# Altium PCB BGA_ACUity.PcbDoc (part 1 of 6) (continued)
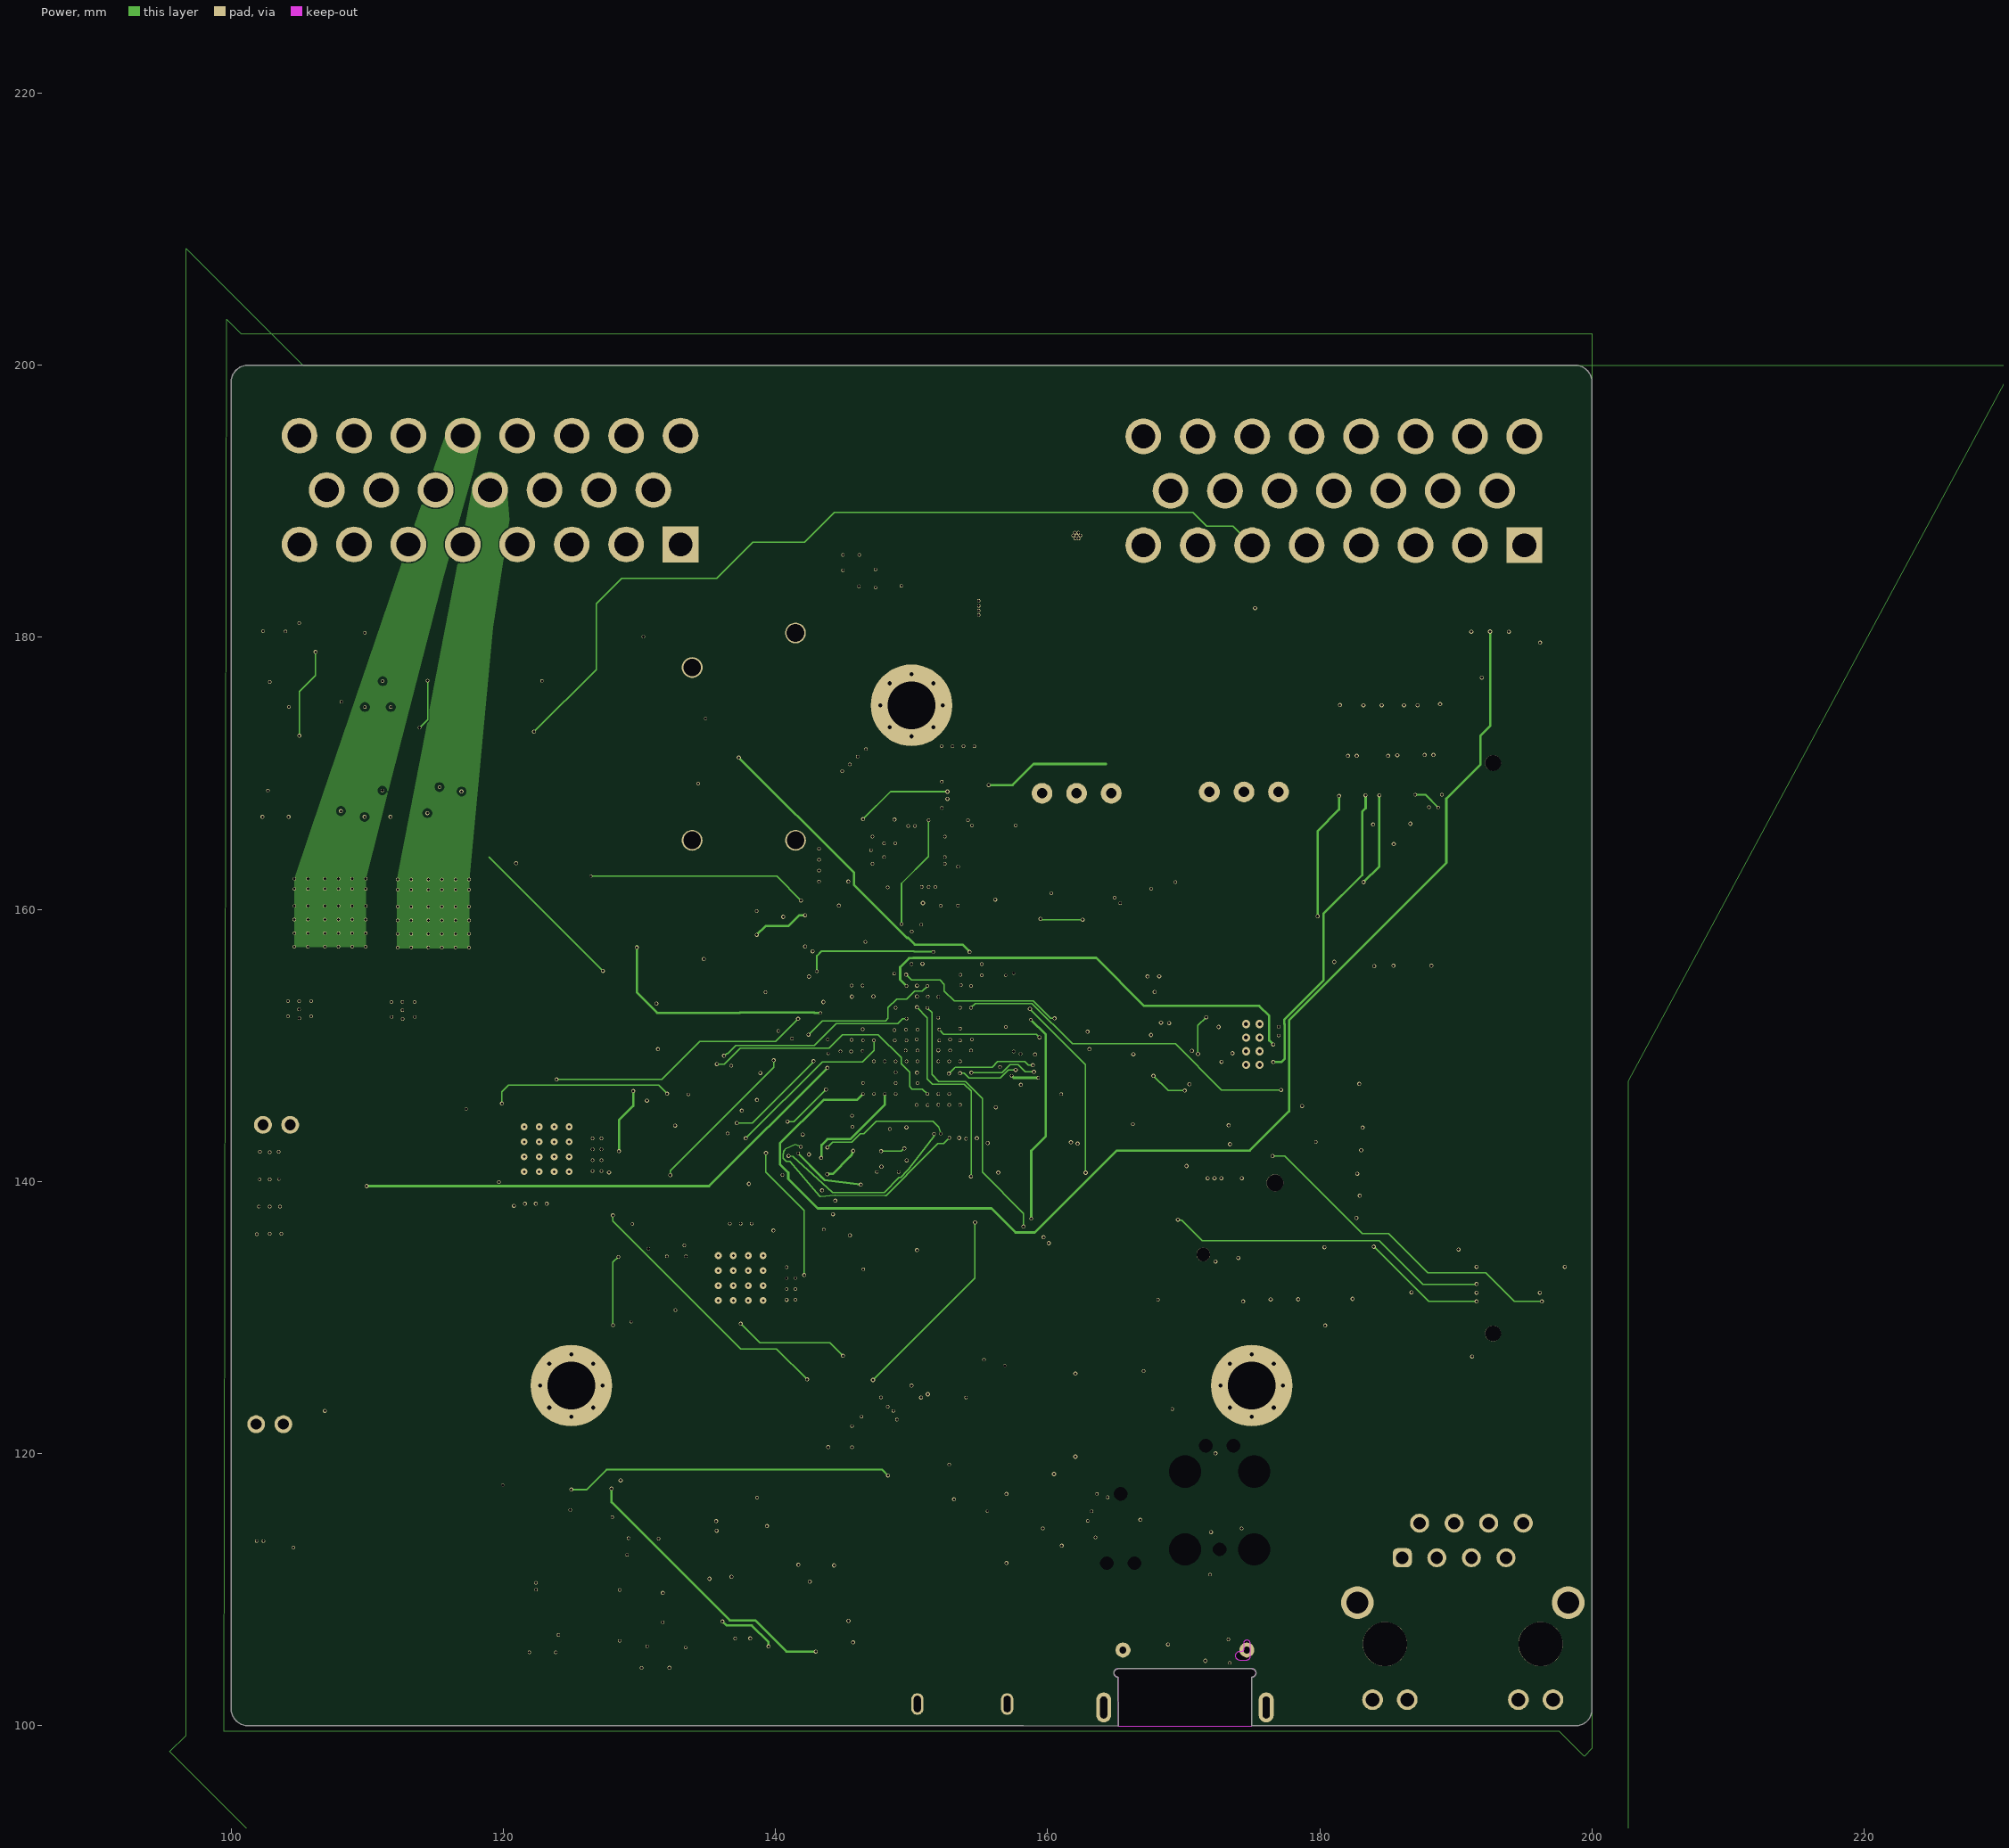
[diagram p3: Power]
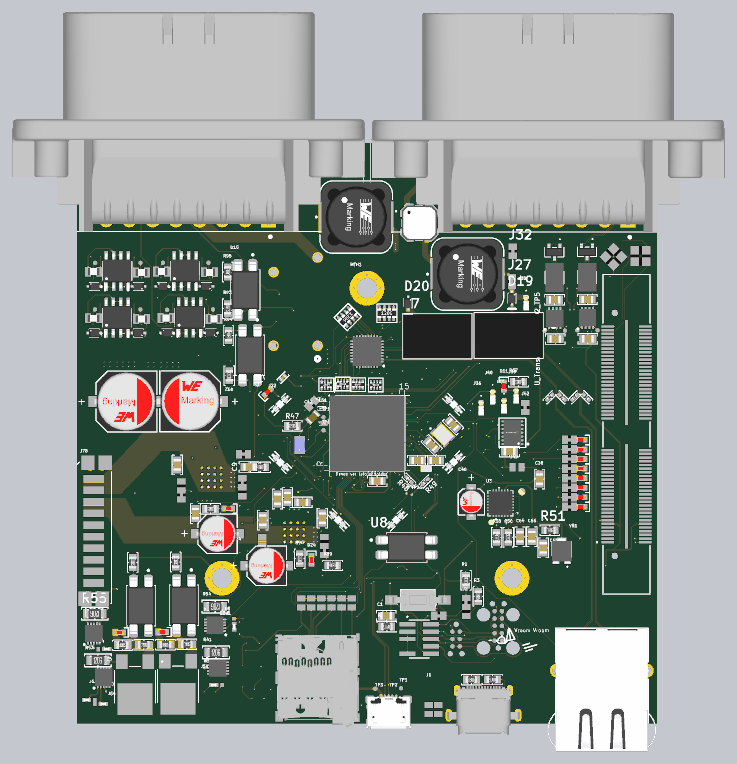
[diagram p9: 3D render of the assembled board from above, using the file's embedded part models]
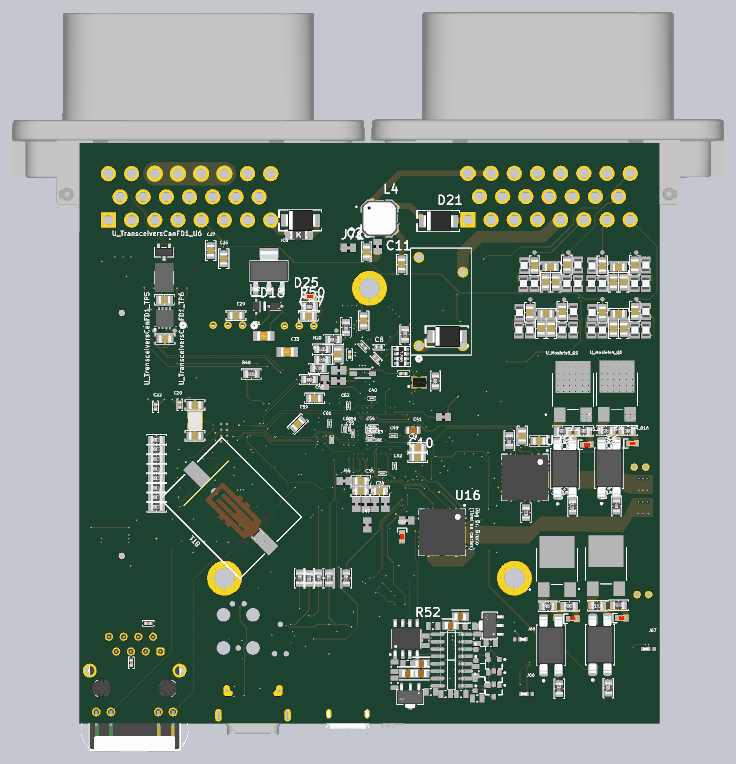
[diagram p10: 3D render of the assembled board from below, using the file's embedded part models]

## Layer stack, top to bottom
Top Solder: solder mask 0.0102, Solder Resist, Dk 3.5
TopSignal: signal copper 0.035
Dielectric 2: prepreg 0.0994, 3313 RC57% 4.2mil, Dk 4.1
Ground: signal copper 0.0152
Core: core 1.265, Core-042, Dk 4.6
Power: signal copper 0.0152
Dielectric 3: prepreg 0.0994, 3313 RC57% 4.2mil, Dk 4.1
BottomSignal: signal copper 0.035
Bottom Solder: solder mask 0.0102, Solder Resist, Dk 3.5

## Board outline
101.27,100 cw(c101.27,101.27) 100,101.27 100,198.731 cw(c101.27,198.731) 101.27,200.001 101.464,200.001 cw(c101.464,200) 101.465,200 198.73,200 cw(c198.73,198.737) 199.993,198.737 199.993,118.421 ccw(c200,118.421) 200,118.414 200,101.207 cw(c198.793,101.207) 198.793,100 174.988,100 175.008,103.586 175.016,103.585 ccw(c175.008,103.886) 175.008,104.187 175.008,104.186 165.168,104.186 165.16,104.187 ccw(c165.168,103.886) 165.168,103.585 165.168,103.586 165.188,99.986 158.227,100

## Design rules (kind name [scope] priority, off if disabled: settings)
BoardOutlineClearance [All] p1: gap=0.2 ignorepadtopadclearanceinfootprint=FALSE
Clearance [All] p1: gap=0.102 ignorepadtopadclearanceinfootprint=FALSE except(0.127: Arc-Via Track-Via SMDPad-Via THPad-Via Via-Via Via-Fill Via-Poly Via-Region Via-Text; 0.25: Arc-Hole Track-Hole SMDPad-Hole THPad-Hole Via-Hole Fill-Hole Poly-Hole Region-Hole Text-Hole)
ComponentClearance [All] p1 off: gap=0.102 collisioncheckmode=3 verticalgap=0.102 showdistances=TRUE
DiffPairsRouting Can [InDifferentialPairClass('CAN')] p1: maxlimit=0.252 minlimit=0.127 mostfreqgap=0.252 toplayer_mingap=0.252 toplayer_minwidth=0.096 toplayer_maxwidth=0.096 toplayer_prefwidth=0.096 midlayer1_maxgap=0.127 midlayer1_prefgap=0.127 midlayer1_minwidth=0.042 midlayer1_maxwidth=0.042 midlayer1_prefwidth=0.042 midlayer2_maxgap=0.127 midlayer2_prefgap=0.127 midlayer2_minwidth=0.042 midlayer2_maxwidth=0.042 midlayer2_prefwidth=0.042 bottomlayer_mingap=0.252 bottomlayer_minwidth=0.096 bottomlayer_maxwidth=0.096 bottomlayer_prefwidth=0.096 impedanceprofiledriven=TRUE impedanceprofileid={6C7A083A-C916-47C3-806D-663C933CB0A5} impedanceprofilevalue=120.000000 maxuncoupledlength=12.7
DiffPairsRouting "Schematic Differential Pairs Routing" [InNet('TP_B_P')] p2: maxlimit=0.127 minlimit=0.127 mostfreqgap=0.127 toplayer_minwidth=0.108 toplayer_maxwidth=0.108 toplayer_prefwidth=0.108 midlayer1_minwidth=0.076 midlayer1_maxwidth=0.076 midlayer1_prefwidth=0.076 midlayer2_minwidth=0.076 midlayer2_maxwidth=0.076 midlayer2_prefwidth=0.076 bottomlayer_minwidth=0.108 bottomlayer_maxwidth=0.108 bottomlayer_prefwidth=0.108 impedanceprofiledriven=TRUE impedanceprofileid={F6A1017F-AE92-4080-B316-5B02F4C96864} impedanceprofilevalue=100.000000 maxuncoupledlength=12.7
DiffPairsRouting ETH_A [InDifferentialPair('TP_A_6')] p3: maxlimit=0.127 minlimit=0.127 mostfreqgap=0.127 toplayer_minwidth=0.108 toplayer_maxwidth=0.108 toplayer_prefwidth=0.108 midlayer1_minwidth=0.076 midlayer1_maxwidth=0.076 midlayer1_prefwidth=0.076 midlayer2_minwidth=0.076 midlayer2_maxwidth=0.076 midlayer2_prefwidth=0.076 bottomlayer_minwidth=0.108 bottomlayer_maxwidth=0.108 bottomlayer_prefwidth=0.108 impedanceprofiledriven=TRUE impedanceprofileid={F6A1017F-AE92-4080-B316-5B02F4C96864} impedanceprofilevalue=100.000000 maxuncoupledlength=12.7
DiffPairsRouting ETH_B [InDifferentialPair('TP_B_6')] p4: maxlimit=0.127 minlimit=0.127 mostfreqgap=0.127 toplayer_minwidth=0.108 toplayer_maxwidth=0.108 toplayer_prefwidth=0.108 midlayer1_minwidth=0.076 midlayer1_maxwidth=0.076 midlayer1_prefwidth=0.076 midlayer2_minwidth=0.076 midlayer2_maxwidth=0.076 midlayer2_prefwidth=0.076 bottomlayer_minwidth=0.108 bottomlayer_maxwidth=0.108 bottomlayer_prefwidth=0.108 impedanceprofiledriven=TRUE impedanceprofileid={F6A1017F-AE92-4080-B316-5B02F4C96864} impedanceprofilevalue=100.000000 maxuncoupledlength=12.7
Height [All] p1: minheight=0 maxheight=1816.048 prefheight=12.7
HoleSize [All] p1: absolutevalues=TRUE maxlimit=6.3 minlimit=0.2 maxpercent=80.000 minpercent=20.000
HoleToHoleClearance [All] p1: gap=0.25 allowstackedmicrovias=FALSE
Length "Schematic Length Constraint_3" [InNet('Board_EXTAL_4')] p1: maxlimit=10.1 minlimit=9.9
Length "Schematic Length Constraint_1" [InNet('Board_XCIN_4')] p2: maxlimit=10.1 minlimit=9.9
Length "Schematic Length Constraint" [InNet('Board_XTAL_4')] p3: maxlimit=10.1 minlimit=9.9
Length "Schematic Length Constraint_5" [InNet('Board_XCOUT_4')] p4: maxlimit=10.1 minlimit=9.9
MatchedLengths "Schematic Matched Net Lengths_1" [InDifferentialPairClass('ETH_B')] p1: tolerance=25.4 checknetsindiffpair=FALSE checkdiffpairvsdiffpair=TRUE checkxsignals=TRUE checkothers=TRUE usedelayunits=TRUE delaytolerance=10.000000
MatchedLengths "Schematic Matched Net Lengths" [InDifferentialPairClass('ETH_A')] p2: tolerance=25.4 checknetsindiffpair=FALSE checkdiffpairvsdiffpair=TRUE checkxsignals=TRUE checkothers=TRUE usedelayunits=TRUE delaytolerance=10.000000
MaxMinImpedance "Schematic Impedance Constraint_5" [InDifferentialPairClass('ETH_B')] p1: minimum=99.00 maximum=101.0
MaxMinImpedance "Schematic Impedance Constraint_1" [InDifferentialPairClass('ETH_A')] p2: minimum=99.00 maximum=101.0
MinimumAnnularRing [All] p1: minimumring=0.076
MinimumSolderMaskSliver [All] p1: minsoldermaskwidth=0
PlaneClearance [All] p1: clearance=0.102
PlaneConnect PlaneConnectPowerPads [InPadClass('PowerPads')] p1: planeconnectstyle=Direct reliefexpansion=0.508 reliefentries=4 reliefconductorwidth=0.254 reliefairgap=0.254
PlaneConnect [All] p2: planeconnectstyle=Direct reliefexpansion=0.3 reliefentries=4 reliefconductorwidth=0.102 reliefairgap=0.102
PolygonConnect PolygonConnectPowerPads [All vs (InPadClass('PowerPads'))] p1: connectstyle=Direct reliefconductorwidth=0.254 reliefentries=4 polygonreliefangle="90 Angle" airgapwidth=0.254
PolygonConnect [All] p2: connectstyle=Direct reliefconductorwidth=0.102 reliefentries=4 polygonreliefangle="90 Angle" airgapwidth=0.102
RoomDefinition "H-Bridge 1" [InComponentClass('H-Bridge 1')] p1: confinementstyle=ConfineIn formatcopy=TRUE lockcomponents=FALSE outline 100.199,149.721 100.199,161.179 115.529,161.179 133.654,161.179 133.654,145.343 133.654,140.704 137.629,140.704 137.629,139.304 140.854,139.304 140.854,138.054 142.004,138.054 142.004,137.379 143.529,137.379 143.529,135.462 144.892,135.462 144.892,131.579 145.829,131.579 145.829,129.979 146.629,129.979 146.629,125.571 139.001,125.571 139.001,123.271 127.671,123.271 127.671,149.721
RoomDefinition "eFuse Power" [InComponentClass('eFuse Power')] p2: confinementstyle=ConfineIn formatcopy=TRUE lockcomponents=FALSE outline 170.082,134.797 170.082,141.01 176.79,141.01 176.79,134.485 183.563,134.485 183.563,133.304 186.588,133.304 186.588,125.621 180.58,125.621 180.58,128.186 179.162,128.186 179.162,130.027 171.116,130.027 171.116,134.797
RoomDefinition U_HighSpeedInterfaces [InComponentClass('U_HighSpeedInterfaces')] p3: confinementstyle=ConfineIn formatcopy=TRUE lockcomponents=FALSE outline 133.974,158.074 133.974,161.126 142.546,161.126 142.546,165.329 142.621,165.329 142.621,169.029 143.823,169.029 143.823,172.877 149.527,172.877 149.527,172.642 155.495,172.642 155.495,168.38 156.38,168.38 156.38,167.386 158.22,167.386 158.22,165.719 160.169,165.719 160.169,163.929 160.173,163.929 160.173,162.404 160.854,162.404 160.854,160.479 162.379,160.479 162.379,157.91 189.51,157.91 189.51,111.729 191.904,111.729 191.904,109.071 190.246,109.071 186.846,109.071 186.846,116.371 186.846,153.214 186.071,153.214 186.071,153.562 181.873,153.562 181.873,154.515 179.815,154.515 179.815,156.798 149.878,156.798 149.878,156.816 141.346,156.816 141.346,156.971 137.396,156.971 137.396,158.074
RoomDefinition U_Mosfets4 [InComponentClass('U_Mosfets4')] p4: confinementstyle=ConfineIn formatcopy=TRUE lockcomponents=FALSE outline 100.947,147.056 100.947,150.068 103.329,150.068 103.329,163.082 112.448,163.082 112.448,151.413 111.766,151.413 111.766,137.297 108.625,137.297 108.625,135.422 106.167,135.422 106.167,137.297 105.628,137.297 105.628,147.056
RoomDefinition U_Mosfets5 [InComponentClass('U_Mosfets5')] p5: confinementstyle=ConfineIn formatcopy=TRUE lockcomponents=FALSE outline 109.701,139.941 109.701,150.011 110.925,150.011 110.925,163.025 120.044,163.025 120.044,151.356 119.361,151.356 119.361,137.24 116.222,137.24 116.222,135.365 113.763,135.365 113.763,137.24 113.224,137.24 113.224,139.941
RoomDefinition U_ADC-Filter3 [InComponentClass('U_ADC-Filter3')] p6: confinementstyle=ConfineIn formatcopy=TRUE lockcomponents=FALSE outline 98.406,176.369 98.406,179.339 100.857,179.339 100.857,183.441 103.826,183.441 103.826,183.314 113.097,183.314 113.097,180.266 113.224,180.266 113.224,179.212 115.466,179.212 115.466,176.242 113.224,176.242 113.224,171.378 100.857,171.378 100.857,176.369
RoomDefinition U_ADC-Filter2 [InComponentClass('U_ADC-Filter2')] p7: confinementstyle=ConfineIn formatcopy=TRUE lockcomponents=FALSE outline 110.11,176.389 110.11,179.358 112.561,179.358 112.561,183.461 115.53,183.461 115.53,183.334 124.801,183.334 124.801,180.286 124.928,180.286 124.928,179.231 127.17,179.231 127.17,176.262 124.928,176.262 124.928,171.398 112.561,171.398 112.561,176.389
RoomDefinition U_TransceiversCanFD1 [InComponentClass('U_TransceiversCanFD1')] p8: confinementstyle=ConfineIn formatcopy=TRUE lockcomponents=FALSE outline 182.497,173.08 182.497,180.638 183.435,180.638 183.435,183.848 187.397,183.848 187.397,180.638 188.285,180.638 188.285,173.08 187.771,173.08 187.771,167.004 187.295,167.004 187.295,165.005 183.237,165.005 183.237,167.004 182.911,167.004 182.911,173.08
RoomDefinition U_TransceiversCanFD2 [InComponentClass('U_TransceiversCanFD2')] p9: confinementstyle=ConfineIn formatcopy=TRUE lockcomponents=FALSE outline 179.441,173.079 179.441,180.637 180.329,180.637 180.329,183.847 184.291,183.847 184.291,180.637 185.229,180.637 185.229,173.079 184.815,173.079 184.815,167.003 184.489,167.003 184.489,165.004 180.431,165.004 180.431,167.003 179.955,167.003 179.955,173.079
RoomDefinition U_TransceiversCanFD0 [InComponentClass('U_TransceiversCanFD0')] p10: confinementstyle=ConfineIn formatcopy=TRUE lockcomponents=FALSE outline 185.076,173.139 185.076,180.697 185.964,180.697 185.964,183.907 189.926,183.907 189.926,180.697 190.864,180.697 190.864,173.139 190.45,173.139 190.45,167.063 190.124,167.063 190.124,165.064 186.066,165.064 186.066,167.063 185.59,167.063 185.59,173.139
RoomDefinition U_Mosfets3 [InComponentClass('U_Mosfets3')] p11: confinementstyle=ConfineIn formatcopy=TRUE lockcomponents=FALSE outline 103.981,100.769 108.372,100.769 108.372,104.017 110.022,104.017 110.022,106.867 113.287,106.867 113.287,121.311 114.324,121.311 114.324,132.98 105.205,132.98 105.205,121.55 104.989,121.55 104.989,119.966 103.981,119.966
RoomDefinition U_Mosfets2 [InComponentClass('U_Mosfets2')] p12: confinementstyle=ConfineIn formatcopy=TRUE lockcomponents=FALSE outline 112.453,100.654 116.844,100.654 116.844,103.902 118.494,103.902 118.494,106.752 121.759,106.752 121.759,121.197 122.796,121.197 122.796,132.866 113.677,132.866 113.677,121.435 113.461,121.435 113.461,119.852 112.453,119.852
RoomDefinition U_Mosfets1 [InComponentClass('U_Mosfets1')] p13: confinementstyle=ConfineIn formatcopy=TRUE lockcomponents=FALSE outline 112.198,133.069 116.59,133.069 116.59,129.821 118.24,129.821 118.24,126.971 121.505,126.971 121.505,112.526 122.541,112.526 122.541,100.858 113.423,100.858 113.423,112.288 113.207,112.288 113.207,113.871 112.198,113.871
RoomDefinition U_Mosfets0 [InComponentClass('U_Mosfets0')] p14: confinementstyle=ConfineIn formatcopy=TRUE lockcomponents=FALSE outline 104.783,132.984 109.174,132.984 109.174,129.736 110.824,129.736 110.824,126.886 114.089,126.886 114.089,112.441 115.126,112.441 115.126,100.773 106.007,100.773 106.007,112.203 105.791,112.203 105.791,113.786 104.783,113.786
RoomDefinition "H-Bridge 0" [InComponentClass('H-Bridge 0')] p15: confinementstyle=ConfineIn formatcopy=TRUE lockcomponents=FALSE outline 112.471,149.771 112.471,161.229 127.801,161.229 127.801,147.454 130.329,147.454 130.329,145.404 131.679,145.404 131.679,142.946 129.554,142.946 129.554,138.271 129.254,138.271 129.254,128.771 117.924,128.771 117.924,136.98 116.508,136.98 116.508,142.496 116.046,142.496 116.046,149.771
RoomDefinition U_Watchdog [InComponentClass('U_Watchdog')] p16: confinementstyle=ConfineIn formatcopy=TRUE lockcomponents=FALSE outline 126.031,111.132 126.031,113.39 126.359,113.39 126.359,119.587 132.271,119.587 132.271,119.839 136.396,119.839 136.396,118.526 146.921,118.526 146.921,110.568 146.823,110.568 146.823,105.298 145.723,105.298 145.723,101.9 140.215,101.9 140.215,103.131 129.783,103.131 129.783,103.701 126.145,103.701 126.145,111.132
RoomDefinition U_ADC-Filter0 [InComponentClass('U_ADC-Filter0')] p17: confinementstyle=ConfineIn formatcopy=TRUE lockcomponents=FALSE outline 98.382,168.338 98.382,171.308 100.833,171.308 100.833,175.41 103.802,175.41 103.802,175.283 113.073,175.283 113.073,172.235 113.2,172.235 113.2,171.181 115.442,171.181 115.442,168.212 113.2,168.212 113.2,163.347 100.833,163.347 100.833,168.338
RoomDefinition U_ADC-Filter1 [InComponentClass('U_ADC-Filter1')] p18: confinementstyle=ConfineIn formatcopy=TRUE lockcomponents=FALSE outline 110.953,168.356 110.953,171.325 113.363,171.325 113.363,175.386 116.332,175.386 116.332,175.259 125.603,175.259 125.603,172.211 125.73,172.211 125.73,171.198 127.93,171.198 127.93,168.229 125.73,168.229 125.73,163.406 123.825,163.406 120.856,163.406 113.363,163.406 113.363,168.356
RoutingVias [All] p1: holewidth=0.2 width=0.3 viastyle="Through Hole" minholewidth=0.2 minwidth=0.45 maxholewidth=6.3 maxwidth=6.55
SilkToSilkClearance [All] p1: silktosilkclearance=0
SilkToSolderMaskClearance [IsPad] p1: minsilkscreentomaskgap=0.102 clearancetoexposedcopper=TRUE
SolderMaskExpansion [All] p1: expansion=0.075 istentingtop=FALSE
SupplyNets "Schematic Supply Nets_14" [InNet('+24V_EASED_PWR')] p1: voltage=0.000
SupplyNets "Schematic Supply Nets_8" [InNet('RAW_POWER_GND')] p2: voltage=0.000
SupplyNets "Schematic Supply Nets_19" [InNet('+3V3_LOGIC')] p3: voltage=0.000
SupplyNets "Schematic Supply Nets_17" [InNet('+5_LOGIC')] p4: voltage=0.000
SupplyNets "Schematic Supply Nets_16" [InNet('+3V3')] p5: voltage=0.000
SupplyNets "Schematic Supply Nets_13" [InNet('+24VBAT_LOGIC')] p6: voltage=0.000
SupplyNets "Schematic Supply Nets_12" [InNet('+3V3_VBATT')] p7: voltage=0.000
SupplyNets "Schematic Supply Nets_11" [InNet('+1V2')] p8: voltage=0.000
SupplyNets "Schematic Supply Nets_10" [InNet('+24VBAT_PWR')] p9: voltage=0.000
SupplyNets "Schematic Supply Nets_9" [InNet('POWER_GND')] p10: voltage=0.000
SupplyNets "Schematic Supply Nets_6" [InNet('RAW_GND')] p11: voltage=0.000
SupplyNets "Schematic Supply Nets_5" [InNet('+24VFUSED_PWR')] p12: voltage=0.000
SupplyNets "Schematic Supply Nets_4" [InNet('+24V')] p13: voltage=0.000
SupplyNets "Schematic Supply Nets_3" [InNet('SIGNAL_GND')] p14: voltage=0.000
SupplyNets "Schematic Supply Nets_2" [InNet('+5V')] p15: voltage=0.000
SupplyNets "Schematic Supply Nets_1" [InNet('CAGE')] p16: voltage=0.000
SupplyNets "Schematic Supply Nets" [InNet('+0V_VLO')] p17: voltage=0.000
Width "Schematic Width Constraint_24" [InNet('NetR34_1')] p1: maxlimit=0.131 minlimit=0.113 preferedwidth=0.131 toplayer_minwidth=0.131 midlayer1_maxwidth=0.113 midlayer1_prefwidth=0.113 midlayer2_maxwidth=0.113 midlayer2_prefwidth=0.113 bottomlayer_minwidth=0.131 impedanceprofiledriven=TRUE impedanceprofileid={45ADB8B1-CB3C-436D-901C-E1781774086E} impedanceprofilevalue=50.000000 minimp=50.000000 maximp=50.000000 favimp=50.000000
Width "Schematic Width Constraint_23" [InNet('NetR34_2')] p2: maxlimit=0.131 minlimit=0.113 preferedwidth=0.131 toplayer_minwidth=0.131 midlayer1_maxwidth=0.113 midlayer1_prefwidth=0.113 midlayer2_maxwidth=0.113 midlayer2_prefwidth=0.113 bottomlayer_minwidth=0.131 impedanceprofiledriven=TRUE impedanceprofileid={45ADB8B1-CB3C-436D-901C-E1781774086E} impedanceprofilevalue=50.000000 minimp=50.000000 maximp=50.000000 favimp=50.000000
Width "Schematic Width Constraint_22" [InNet('NetR34_8')] p3: maxlimit=0.131 minlimit=0.113 preferedwidth=0.131 toplayer_minwidth=0.131 midlayer1_maxwidth=0.113 midlayer1_prefwidth=0.113 midlayer2_maxwidth=0.113 midlayer2_prefwidth=0.113 bottomlayer_minwidth=0.131 impedanceprofiledriven=TRUE impedanceprofileid={45ADB8B1-CB3C-436D-901C-E1781774086E} impedanceprofilevalue=50.000000 minimp=50.000000 maximp=50.000000 favimp=50.000000
Width "Schematic Width Constraint_1" [InNet('NetR34_7')] p4: maxlimit=0.131 minlimit=0.113 preferedwidth=0.131 toplayer_minwidth=0.131 midlayer1_maxwidth=0.113 midlayer1_prefwidth=0.113 midlayer2_maxwidth=0.113 midlayer2_prefwidth=0.113 bottomlayer_minwidth=0.131 impedanceprofiledriven=TRUE impedanceprofileid={45ADB8B1-CB3C-436D-901C-E1781774086E} impedanceprofilevalue=50.000000 minimp=50.000000 maximp=50.000000 favimp=50.000000
Width "Schematic Width Constraint_57" [InNet('1_0-TXD_7_N')] p5: maxlimit=0.131 minlimit=0.113 preferedwidth=0.131 toplayer_minwidth=0.131 midlayer1_maxwidth=0.113 midlayer1_prefwidth=0.113 midlayer2_maxwidth=0.113 midlayer2_prefwidth=0.113 bottomlayer_minwidth=0.131 impedanceprofiledriven=TRUE impedanceprofileid={45ADB8B1-CB3C-436D-901C-E1781774086E} impedanceprofilevalue=50.000000 minimp=50.000000 maximp=50.000000 favimp=50.000000
Width "Schematic Width Constraint_56" [InNet('1_0-RXD_7_N')] p6: maxlimit=0.131 minlimit=0.113 preferedwidth=0.131 toplayer_minwidth=0.131 midlayer1_maxwidth=0.113 midlayer1_prefwidth=0.113 midlayer2_maxwidth=0.113 midlayer2_prefwidth=0.113 bottomlayer_minwidth=0.131 impedanceprofiledriven=TRUE impedanceprofileid={45ADB8B1-CB3C-436D-901C-E1781774086E} impedanceprofilevalue=50.000000 minimp=50.000000 maximp=50.000000 favimp=50.000000
Width "Schematic Width Constraint_19" [InNet('1_0-CRS_DV_7')] p7: maxlimit=0.131 minlimit=0.113 preferedwidth=0.131 toplayer_minwidth=0.131 midlayer1_maxwidth=0.113 midlayer1_prefwidth=0.113 midlayer2_maxwidth=0.113 midlayer2_prefwidth=0.113 bottomlayer_minwidth=0.131 impedanceprofiledriven=TRUE impedanceprofileid={45ADB8B1-CB3C-436D-901C-E1781774086E} impedanceprofilevalue=50.000000 minimp=50.000000 maximp=50.000000 favimp=50.000000
Width "Schematic Width Constraint_17" [InNet('1_0-EXOUT_7')] p8: maxlimit=0.131 minlimit=0.113 preferedwidth=0.131 toplayer_minwidth=0.131 midlayer1_maxwidth=0.113 midlayer1_prefwidth=0.113 midlayer2_maxwidth=0.113 midlayer2_prefwidth=0.113 bottomlayer_minwidth=0.131 impedanceprofiledriven=TRUE impedanceprofileid={45ADB8B1-CB3C-436D-901C-E1781774086E} impedanceprofilevalue=50.000000 minimp=50.000000 maximp=50.000000 favimp=50.000000
Width "Schematic Width Constraint_15" [InNet('1_0-TXD_7_P')] p9: maxlimit=0.131 minlimit=0.113 preferedwidth=0.131 toplayer_minwidth=0.131 midlayer1_maxwidth=0.113 midlayer1_prefwidth=0.113 midlayer2_maxwidth=0.113 midlayer2_prefwidth=0.113 bottomlayer_minwidth=0.131 impedanceprofiledriven=TRUE impedanceprofileid={45ADB8B1-CB3C-436D-901C-E1781774086E} impedanceprofilevalue=50.000000 minimp=50.000000 maximp=50.000000 favimp=50.000000